# KiCad board keyboard.kicad_pcb (continued)
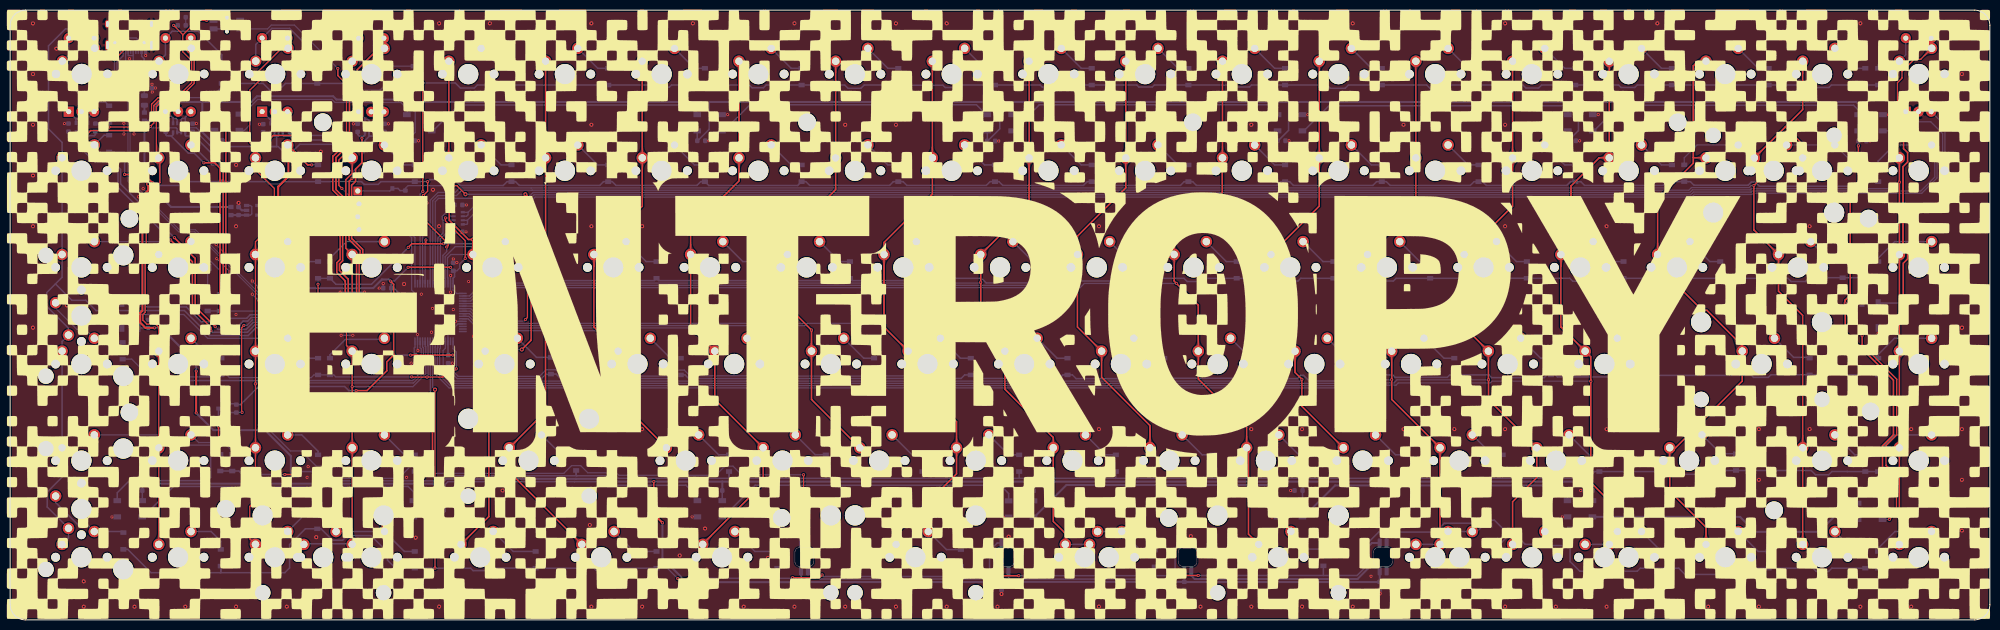
[diagram p0: board, top side]
## Copper pours and planes (outline as drawn; the poured copper is in the pictures) (continued)
/col7 on Top: 138.97,50.62 138.97,50.81 138.99,50.98 139.02,51.15 139.07,51.32 139.12,51.47 139.19,51.63 139.28,51.77 139.37,51.91 139.48,52.05 139.6,52.17 138.81,53.54 138.03,52.17 138.15,52.05 138.26,51.91 138.35,51.77 138.44,51.63 138.51,51.47 138.56,51.32 138.61,51.15 138.64,50.98 138.66,50.81 138.66,50.62
/col7 on Top: 148.49,31.57 148.5,31.76 148.52,31.93 148.55,32.1 148.59,32.27 148.65,32.42 148.72,32.58 148.8,32.72 148.9,32.86 149.01,33 149.13,33.12 148.34,34.49 147.55,33.12 147.67,33 147.78,32.86 147.88,32.72 147.96,32.58 148.03,32.42 148.09,32.27 148.13,32.1 148.16,31.93 148.18,31.76 148.19,31.57
/col7 on Top: 137.99,16.7 137.86,16.57 137.72,16.45 137.58,16.34 137.43,16.25 137.28,16.17 137.12,16.11 136.96,16.06 136.79,16.03 136.62,16.01 136.44,16 136.04,14.48 137.56,14.89 137.56,15.07 137.58,15.24 137.61,15.41 137.66,15.57 137.72,15.74 137.79,15.89 137.87,16.05 137.97,16.2 138.08,16.35 138.2,16.49
/col7 on Top: 137.04,54.54 137.17,54.4 137.28,54.26 137.38,54.12 137.46,53.97 137.53,53.82 137.59,53.66 137.64,53.5 137.67,53.34 137.69,53.16 137.69,52.99 139.21,52.58 138.8,54.1 138.63,54.11 138.46,54.13 138.29,54.16 138.13,54.2 137.97,54.26 137.82,54.33 137.67,54.42 137.53,54.51 137.39,54.62 137.26,54.75
/col8 on Top: 162.78,107.77 162.78,107.96 162.8,108.13 162.83,108.3 162.88,108.47 162.94,108.62 163.01,108.78 163.09,108.92 163.19,109.06 163.29,109.2 163.42,109.32 162.63,110.69 161.84,109.32 161.96,109.2 162.07,109.06 162.17,108.92 162.25,108.78 162.32,108.62 162.38,108.47 162.42,108.3 162.45,108.13 162.47,107.96 162.48,107.77
/col8 on Top: 162.48,93.43 162.47,93.25 162.45,93.07 162.42,92.9 162.38,92.74 162.32,92.58 162.25,92.43 162.17,92.28 162.07,92.14 161.96,92.01 161.84,91.88 162.63,90.52 163.42,91.88 163.29,92.01 163.19,92.14 163.09,92.28 163.01,92.43 162.94,92.58 162.88,92.74 162.83,92.9 162.8,93.07 162.78,93.25 162.78,93.43
/col8 on Top: 162.78,88.72 162.78,88.91 162.8,89.08 162.83,89.25 162.88,89.42 162.94,89.57 163.01,89.73 163.09,89.87 163.19,90.01 163.29,90.15 163.42,90.27 162.63,91.64 161.84,90.27 161.96,90.15 162.07,90.01 162.17,89.87 162.25,89.73 162.32,89.57 162.38,89.42 162.42,89.25 162.45,89.08 162.47,88.91 162.48,88.72
/col8 on Top: 152.95,74.38 152.95,74.2 152.93,74.02 152.9,73.85 152.85,73.69 152.79,73.53 152.72,73.38 152.64,73.23 152.54,73.09 152.44,72.96 152.31,72.83 153.1,71.47 153.89,72.83 153.77,72.96 153.66,73.09 153.56,73.23 153.48,73.38 153.41,73.53 153.35,73.69 153.31,73.85 153.28,74.02 153.26,74.2 153.25,74.38
/col8 on Top: 153.25,69.67 153.26,69.86 153.28,70.03 153.31,70.2 153.35,70.37 153.41,70.52 153.48,70.68 153.56,70.82 153.66,70.96 153.77,71.1 153.89,71.22 153.1,72.59 152.31,71.22 152.44,71.1 152.54,70.96 152.64,70.82 152.72,70.68 152.79,70.52 152.85,70.37 152.9,70.2 152.93,70.03 152.95,69.86 152.95,69.67
/col8 on Top: 157.72,55.33 157.71,55.15 157.69,54.97 157.66,54.8 157.61,54.64 157.56,54.48 157.49,54.33 157.4,54.18 157.31,54.04 157.2,53.91 157.08,53.78 157.87,52.41 158.65,53.78 158.53,53.91 158.42,54.04 158.33,54.18 158.24,54.33 158.17,54.48 158.12,54.64 158.07,54.8 158.04,54.97 158.02,55.15 158.01,55.33
/col8 on Top: 165.62,35.49 165.74,35.35 165.85,35.21 165.95,35.07 166.04,34.92 166.11,34.77 166.17,34.61 166.21,34.45 166.24,34.29 166.26,34.11 166.27,33.94 167.79,33.53 167.38,35.05 167.2,35.06 167.03,35.08 166.86,35.11 166.7,35.15 166.55,35.21 166.39,35.28 166.25,35.37 166.1,35.46 165.96,35.57 165.83,35.7
/col8 on Top: 158.01,50.62 158.02,50.81 158.04,50.98 158.07,51.15 158.12,51.32 158.17,51.47 158.24,51.63 158.33,51.77 158.42,51.91 158.53,52.05 158.65,52.17 157.87,53.54 157.08,52.17 157.2,52.05 157.31,51.91 157.4,51.77 157.49,51.63 157.56,51.47 157.61,51.32 157.66,51.15 157.69,50.98 157.71,50.81 157.72,50.62
/col9 on Top: 174.38,16.88 174.38,16.77 174.36,16.65 174.33,16.53 174.28,16.41 174.22,16.29 174.15,16.17 174.07,16.05 173.98,15.93 173.87,15.81 173.75,15.68 174.53,14.31 175.32,15.68 175.2,15.81 175.09,15.93 175,16.05 174.91,16.17 174.84,16.29 174.79,16.41 174.74,16.53 174.71,16.65 174.69,16.77 174.68,16.88
/col9 on Top: 186.59,31.57 186.6,31.76 186.62,31.93 186.65,32.1 186.69,32.27 186.75,32.42 186.82,32.58 186.9,32.72 187,32.86 187.11,33 187.23,33.12 186.44,34.49 185.65,33.12 185.77,33 185.88,32.86 185.98,32.72 186.06,32.58 186.13,32.42 186.19,32.27 186.23,32.1 186.26,31.93 186.28,31.76 186.29,31.57
/col9 on Top: 186.29,36.28 186.28,36.1 186.26,35.92 186.23,35.75 186.19,35.59 186.13,35.43 186.06,35.28 185.98,35.13 185.88,34.99 185.77,34.86 185.65,34.73 186.44,33.36 187.23,34.73 187.11,34.86 187,34.99 186.9,35.13 186.82,35.28 186.75,35.43 186.69,35.59 186.65,35.75 186.62,35.92 186.6,36.1 186.59,36.28
/col9 on Top: 177.06,50.62 177.07,50.81 177.09,50.98 177.12,51.15 177.17,51.32 177.22,51.47 177.29,51.63 177.38,51.77 177.47,51.91 177.58,52.05 177.7,52.17 176.92,53.54 176.13,52.17 176.25,52.05 176.36,51.91 176.45,51.77 176.54,51.63 176.61,51.47 176.66,51.32 176.71,51.15 176.74,50.98 176.76,50.81 176.76,50.62
/col9 on Top: 175.14,54.54 175.27,54.4 175.38,54.26 175.48,54.12 175.56,53.97 175.63,53.82 175.69,53.66 175.74,53.5 175.77,53.34 175.79,53.16 175.79,52.99 177.31,52.58 176.9,54.1 176.73,54.11 176.56,54.13 176.39,54.16 176.23,54.2 176.07,54.26 175.92,54.33 175.77,54.42 175.63,54.51 175.49,54.62 175.36,54.75
/col9 on Top: 181.83,88.72 181.83,88.91 181.85,89.08 181.88,89.25 181.93,89.42 181.99,89.57 182.06,89.73 182.14,89.87 182.24,90.01 182.34,90.15 182.46,90.27 181.68,91.64 180.89,90.27 181.01,90.15 181.12,90.01 181.22,89.87 181.3,89.73 181.37,89.57 181.43,89.42 181.47,89.25 181.5,89.08 181.52,88.91 181.53,88.72
/col9 on Top: 172,74.38 172,74.2 171.98,74.02 171.95,73.85 171.9,73.69 171.84,73.53 171.77,73.38 171.69,73.23 171.59,73.09 171.49,72.96 171.37,72.83 172.15,71.47 172.94,72.83 172.82,72.96 172.71,73.09 172.61,73.23 172.53,73.38 172.46,73.53 172.4,73.69 172.36,73.85 172.33,74.02 172.31,74.2 172.3,74.38
/col9 on Top: 181.83,107.77 181.83,107.96 181.85,108.13 181.88,108.3 181.93,108.47 181.99,108.62 182.06,108.78 182.14,108.92 182.24,109.06 182.34,109.2 182.46,109.32 181.68,110.69 180.89,109.32 181.01,109.2 181.12,109.06 181.22,108.92 181.3,108.78 181.37,108.62 181.43,108.47 181.47,108.3 181.5,108.13 181.52,107.96 181.53,107.77
/col9 on Top: 181.53,93.43 181.52,93.25 181.5,93.07 181.47,92.9 181.43,92.74 181.37,92.58 181.3,92.43 181.22,92.28 181.12,92.14 181.01,92.01 180.89,91.88 181.68,90.52 182.46,91.88 182.34,92.01 182.24,92.14 182.14,92.28 182.06,92.43 181.99,92.58 181.93,92.74 181.88,92.9 181.85,93.07 181.83,93.25 181.83,93.43
/col9 on Top: 172.3,69.67 172.31,69.86 172.33,70.03 172.36,70.2 172.4,70.37 172.46,70.52 172.53,70.68 172.61,70.82 172.71,70.96 172.82,71.1 172.94,71.22 172.15,72.59 171.37,71.22 171.49,71.1 171.59,70.96 171.69,70.82 171.77,70.68 171.84,70.52 171.9,70.37 171.95,70.2 171.98,70.03 172,69.86 172,69.67
/col10 on Top: 200.88,107.77 200.88,107.96 200.9,108.13 200.93,108.3 200.98,108.47 201.04,108.62 201.11,108.78 201.19,108.92 201.29,109.06 201.39,109.2 201.51,109.32 200.73,110.69 199.94,109.32 200.06,109.2 200.17,109.06 200.27,108.92 200.35,108.78 200.42,108.62 200.48,108.47 200.52,108.3 200.55,108.13 200.57,107.96 200.58,107.77
/col10 on Top: 200.58,93.43 200.57,93.25 200.55,93.07 200.52,92.9 200.48,92.74 200.42,92.58 200.35,92.43 200.27,92.28 200.17,92.14 200.06,92.01 199.94,91.88 200.73,90.52 201.51,91.88 201.39,92.01 201.29,92.14 201.19,92.28 201.11,92.43 201.04,92.58 200.98,92.74 200.93,92.9 200.9,93.07 200.88,93.25 200.88,93.43
/col10 on Top: 192.76,73.8 192.63,73.67 192.49,73.56 192.35,73.47 192.2,73.38 192.05,73.31 191.89,73.25 191.73,73.21 191.56,73.18 191.39,73.16 191.21,73.15 190.8,71.63 192.33,72.04 192.33,72.21 192.35,72.39 192.38,72.55 192.43,72.71 192.48,72.87 192.56,73.02 192.64,73.17 192.74,73.31 192.85,73.45 192.97,73.59
/col10 on Top: 200.88,88.72 200.88,88.91 200.9,89.08 200.93,89.25 200.98,89.42 201.04,89.57 201.11,89.73 201.19,89.87 201.29,90.01 201.39,90.15 201.51,90.27 200.73,91.64 199.94,90.27 200.06,90.15 200.17,90.01 200.27,89.87 200.35,89.73 200.42,89.57 200.48,89.42 200.52,89.25 200.55,89.08 200.57,88.91 200.58,88.72
/col10 on Top: 196.12,50.62 196.12,50.81 196.14,50.98 196.17,51.15 196.22,51.32 196.27,51.47 196.34,51.63 196.43,51.77 196.52,51.91 196.63,52.05 196.75,52.17 195.96,53.54 195.18,52.17 195.3,52.05 195.41,51.91 195.5,51.77 195.59,51.63 195.66,51.47 195.71,51.32 195.76,51.15 195.79,50.98 195.81,50.81 195.81,50.62
/col10 on Top: 205.34,35.96 205.33,35.84 205.31,35.72 205.28,35.6 205.24,35.47 205.18,35.35 205.11,35.23 205.03,35.1 204.93,34.98 204.82,34.86 204.7,34.73 205.49,33.36 206.28,34.73 206.16,34.86 206.05,34.98 205.95,35.1 205.87,35.23 205.8,35.35 205.74,35.47 205.7,35.6 205.67,35.72 205.65,35.84 205.64,35.96
/col10 on Top: 205.64,31.57 205.65,31.76 205.67,31.93 205.7,32.1 205.74,32.27 205.8,32.42 205.87,32.58 205.95,32.72 206.05,32.86 206.16,33 206.28,33.12 205.49,34.49 204.7,33.12 204.82,33 204.93,32.86 205.03,32.72 205.11,32.58 205.18,32.42 205.24,32.27 205.28,32.1 205.31,31.93 205.33,31.76 205.34,31.57
/col10 on Top: 207.72,17.03 207.71,16.89 207.7,16.74 207.66,16.6 207.62,16.47 207.56,16.33 207.49,16.2 207.41,16.06 207.31,15.93 207.2,15.81 207.08,15.68 207.87,14.31 208.66,15.68 208.54,15.81 208.43,15.93 208.33,16.06 208.25,16.2 208.18,16.33 208.12,16.47 208.08,16.6 208.05,16.74 208.03,16.89 208.02,17.03
/col10 on Top: 191.35,69.67 191.36,69.86 191.38,70.03 191.41,70.2 191.45,70.37 191.51,70.52 191.58,70.68 191.66,70.82 191.76,70.96 191.87,71.1 191.99,71.22 191.2,72.59 190.42,71.22 190.54,71.1 190.64,70.96 190.74,70.82 190.82,70.68 190.89,70.52 190.95,70.37 191,70.2 191.03,70.03 191.05,69.86 191.05,69.67
/col10 on Top: 194.19,54.54 194.32,54.4 194.43,54.26 194.53,54.12 194.61,53.97 194.68,53.82 194.74,53.66 194.79,53.5 194.82,53.34 194.84,53.16 194.84,52.99 196.36,52.58 195.95,54.1 195.78,54.11 195.61,54.13 195.44,54.16 195.28,54.2 195.12,54.26 194.97,54.33 194.82,54.42 194.68,54.51 194.54,54.62 194.41,54.75
/col10 on Bottom: 210.23,15.03 210.04,15.03 209.87,15.05 209.7,15.08 209.53,15.13 209.37,15.19 209.22,15.26 209.08,15.34 208.94,15.44 208.8,15.54 208.67,15.66 207.31,14.88 208.67,14.09 208.8,14.21 208.94,14.32 209.08,14.42 209.22,14.5 209.37,14.57 209.53,14.63 209.7,14.67 209.87,14.7 210.04,14.72 210.23,14.73
/col10 on Bottom: 210.28,14.73 210.46,14.72 210.64,14.7 210.81,14.67 210.97,14.63 211.13,14.57 211.28,14.5 211.43,14.42 211.57,14.32 211.7,14.21 211.83,14.09 213.2,14.88 211.83,15.66 211.7,15.54 211.57,15.44 211.43,15.34 211.28,15.26 211.13,15.19 210.97,15.13 210.81,15.08 210.64,15.05 210.46,15.03 210.28,15.03
/col11 on Top: 224.39,36.28 224.38,36.1 224.36,35.92 224.33,35.75 224.29,35.59 224.23,35.43 224.16,35.28 224.08,35.13 223.98,34.99 223.87,34.86 223.75,34.73 224.54,33.36 225.33,34.73 225.21,34.86 225.1,34.99 225,35.13 224.92,35.28 224.85,35.43 224.79,35.59 224.75,35.75 224.72,35.92 224.7,36.1 224.69,36.28
/col11 on Top: 215.17,50.62 215.17,50.81 215.19,50.98 215.22,51.15 215.27,51.32 215.32,51.47 215.39,51.63 215.48,51.77 215.57,51.91 215.68,52.05 215.8,52.17 215.01,53.54 214.23,52.17 214.35,52.05 214.46,51.91 214.55,51.77 214.64,51.63 214.71,51.47 214.76,51.32 214.81,51.15 214.84,50.98 214.86,50.81 214.87,50.62
/col11 on Top: 210.1,74.38 210.1,74.2 210.08,74.02 210.05,73.85 210,73.69 209.94,73.53 209.87,73.38 209.79,73.23 209.69,73.09 209.59,72.96 209.46,72.83 210.25,71.47 211.04,72.83 210.92,72.96 210.81,73.09 210.71,73.23 210.63,73.38 210.56,73.53 210.5,73.69 210.46,73.85 210.43,74.02 210.41,74.2 210.4,74.38
/col11 on Top: 219.93,88.72 219.93,88.91 219.95,89.08 219.98,89.25 220.03,89.42 220.09,89.57 220.16,89.73 220.24,89.87 220.34,90.01 220.44,90.15 220.56,90.27 219.78,91.64 218.99,90.27 219.11,90.15 219.22,90.01 219.32,89.87 219.4,89.73 219.47,89.57 219.53,89.42 219.57,89.25 219.6,89.08 219.62,88.91 219.63,88.72
/col11 on Top: 219.93,107.77 219.93,107.96 219.95,108.13 219.98,108.3 220.03,108.47 220.09,108.62 220.16,108.78 220.24,108.92 220.34,109.06 220.44,109.2 220.56,109.32 219.78,110.69 218.99,109.32 219.11,109.2 219.22,109.06 219.32,108.92 219.4,108.78 219.47,108.62 219.53,108.47 219.57,108.3 219.6,108.13 219.62,107.96 219.63,107.77
/col11 on Top: 219.63,93.43 219.62,93.25 219.6,93.07 219.57,92.9 219.53,92.74 219.47,92.58 219.4,92.43 219.32,92.28 219.22,92.14 219.11,92.01 218.99,91.88 219.78,90.52 220.56,91.88 220.44,92.01 220.34,92.14 220.24,92.28 220.16,92.43 220.09,92.58 220.03,92.74 219.98,92.9 219.95,93.07 219.93,93.25 219.93,93.43
/col11 on Top: 210.4,69.67 210.41,69.86 210.43,70.03 210.46,70.2 210.5,70.37 210.56,70.52 210.63,70.68 210.71,70.82 210.81,70.96 210.92,71.1 211.04,71.22 210.25,72.59 209.46,71.22 209.59,71.1 209.69,70.96 209.79,70.82 209.87,70.68 209.94,70.52 210,70.37 210.05,70.2 210.08,70.03 210.1,69.86 210.1,69.67
/col11 on Top: 213.24,54.54 213.37,54.4 213.48,54.26 213.58,54.12 213.66,53.97 213.73,53.82 213.79,53.66 213.84,53.5 213.87,53.34 213.89,53.16 213.89,52.99 215.41,52.58 215,54.1 214.83,54.11 214.66,54.13 214.49,54.16 214.33,54.2 214.17,54.26 214.02,54.33 213.87,54.42 213.73,54.51 213.59,54.62 213.46,54.75
/col12 on Top: 238.98,107.77 238.98,107.96 239,108.13 239.03,108.3 239.08,108.47 239.14,108.62 239.21,108.78 239.29,108.92 239.39,109.06 239.49,109.2 239.62,109.32 238.83,110.69 238.04,109.32 238.16,109.2 238.27,109.06 238.37,108.92 238.45,108.78 238.52,108.62 238.58,108.47 238.62,108.3 238.65,108.13 238.67,107.96 238.68,107.77
/col12 on Top: 238.68,93.43 238.67,93.25 238.65,93.07 238.62,92.9 238.58,92.74 238.52,92.58 238.45,92.43 238.37,92.28 238.27,92.14 238.16,92.01 238.04,91.88 238.83,90.52 239.62,91.88 239.49,92.01 239.39,92.14 239.29,92.28 239.21,92.43 239.14,92.58 239.08,92.74 239.03,92.9 239,93.07 238.98,93.25 238.98,93.43
/col12 on Top: 229.15,74.38 229.15,74.2 229.13,74.02 229.1,73.85 229.05,73.69 228.99,73.53 228.92,73.38 228.84,73.23 228.74,73.09 228.64,72.96 228.51,72.83 229.3,71.47 230.09,72.83 229.97,72.96 229.86,73.09 229.76,73.23 229.68,73.38 229.61,73.53 229.55,73.69 229.51,73.85 229.48,74.02 229.46,74.2 229.45,74.38
/col12 on Top: 238.93,88.68 238.95,88.87 238.97,89.05 239.01,89.23 239.06,89.4 239.13,89.56 239.2,89.72 239.29,89.87 239.38,90.01 239.49,90.15 239.62,90.27 238.83,91.64 238.04,90.27 238.16,90.15 238.27,90.01 238.36,89.87 238.44,89.72 238.51,89.56 238.56,89.4 238.6,89.23 238.62,89.05 238.63,88.87 238.63,88.68
/col12 on Top: 233.92,55.33 233.91,55.15 233.89,54.97 233.86,54.8 233.81,54.64 233.76,54.48 233.69,54.33 233.6,54.18 233.51,54.04 233.4,53.91 233.28,53.78 234.06,52.41 234.85,53.78 234.73,53.91 234.62,54.04 234.53,54.18 234.44,54.33 234.37,54.48 234.32,54.64 234.27,54.8 234.24,54.97 234.22,55.15 234.21,55.33
/col12 on Top: 229.45,69.67 229.46,69.86 229.48,70.03 229.51,70.2 229.55,70.37 229.61,70.52 229.68,70.68 229.76,70.82 229.86,70.96 229.97,71.1 230.09,71.22 229.3,72.59 228.51,71.22 228.64,71.1 228.74,70.96 228.84,70.82 228.92,70.68 228.99,70.52 229.05,70.37 229.1,70.2 229.13,70.03 229.15,69.86 229.15,69.67
/col12 on Top: 243.44,36.28 243.43,36.1 243.41,35.92 243.38,35.75 243.34,35.59 243.28,35.43 243.21,35.28 243.13,35.13 243.03,34.99 242.92,34.86 242.8,34.73 243.59,33.36 244.38,34.73 244.26,34.86 244.15,34.99 244.05,35.13 243.97,35.28 243.9,35.43 243.84,35.59 243.8,35.75 243.77,35.92 243.75,36.1 243.74,36.28
/col12 on Top: 234.21,50.62 234.22,50.81 234.24,50.98 234.27,51.15 234.32,51.32 234.37,51.47 234.44,51.63 234.53,51.77 234.62,51.91 234.73,52.05 234.85,52.17 234.06,53.54 233.28,52.17 233.4,52.05 233.51,51.91 233.6,51.77 233.69,51.63 233.76,51.47 233.81,51.32 233.86,51.15 233.89,50.98 233.91,50.81 233.92,50.62
/col12 on Top: 244.1,31.21 244.04,31.46 244,31.7 243.97,31.93 243.97,32.14 243.99,32.33 244.03,32.52 244.08,32.69 244.16,32.85 244.26,32.99 244.38,33.12 243.59,34.49 242.8,33.12 242.93,32.99 243.05,32.85 243.16,32.69 243.27,32.52 243.37,32.33 243.47,32.14 243.56,31.93 243.64,31.7 243.73,31.46 243.8,31.21
/col12 on Top: 244.2,16.44 244.33,16.3 244.44,16.16 244.53,16.02 244.62,15.87 244.69,15.72 244.75,15.56 244.79,15.4 244.82,15.24 244.84,15.06 244.85,14.89 246.37,14.48 245.96,16 245.78,16.01 245.61,16.03 245.45,16.06 245.28,16.1 245.13,16.16 244.97,16.23 244.83,16.32 244.68,16.41 244.55,16.52 244.41,16.65
/col13 on Top: 248.5,69.67 248.51,69.86 248.53,70.03 248.56,70.2 248.6,70.37 248.66,70.52 248.73,70.68 248.81,70.82 248.91,70.96 249.02,71.1 249.14,71.22 248.35,72.59 247.56,71.22 247.69,71.1 247.79,70.96 247.89,70.82 247.97,70.68 248.04,70.52 248.1,70.37 248.15,70.2 248.18,70.03 248.2,69.86 248.2,69.67
/col13 on Top: 251.34,54.54 251.47,54.4 251.58,54.26 251.68,54.12 251.76,53.97 251.83,53.82 251.89,53.66 251.94,53.5 251.97,53.34 251.99,53.16 251.99,52.99 253.51,52.58 253.1,54.1 252.93,54.11 252.76,54.13 252.59,54.16 252.43,54.2 252.27,54.26 252.12,54.33 251.97,54.42 251.83,54.51 251.69,54.62 251.56,54.75
/col13 on Top: 258.03,88.72 258.03,88.91 258.05,89.08 258.08,89.25 258.13,89.42 258.19,89.57 258.26,89.73 258.34,89.87 258.44,90.01 258.54,90.15 258.67,90.27 257.88,91.64 257.09,90.27 257.21,90.15 257.32,90.01 257.42,89.87 257.5,89.73 257.57,89.57 257.63,89.42 257.67,89.25 257.7,89.08 257.72,88.91 257.73,88.72
/col13 on Top: 258.03,107.77 258.03,107.96 258.05,108.13 258.08,108.3 258.13,108.47 258.19,108.62 258.26,108.78 258.34,108.92 258.44,109.06 258.54,109.2 258.67,109.32 257.88,110.69 257.09,109.32 257.21,109.2 257.32,109.06 257.42,108.92 257.5,108.78 257.57,108.62 257.63,108.47 257.67,108.3 257.7,108.13 257.72,107.96 257.73,107.77
/col13 on Top: 257.73,93.43 257.72,93.25 257.7,93.07 257.67,92.9 257.63,92.74 257.57,92.58 257.5,92.43 257.42,92.28 257.32,92.14 257.21,92.01 257.09,91.88 257.88,90.52 258.67,91.88 258.54,92.01 258.44,92.14 258.34,92.28 258.26,92.43 258.19,92.58 258.13,92.74 258.08,92.9 258.05,93.07 258.03,93.25 258.03,93.43
/col13 on Top: 260.87,35.49 260.99,35.35 261.1,35.21 261.2,35.07 261.29,34.92 261.36,34.77 261.42,34.61 261.46,34.45 261.49,34.29 261.51,34.11 261.52,33.94 263.04,33.53 262.63,35.05 262.45,35.06 262.28,35.08 262.11,35.11 261.95,35.15 261.8,35.21 261.64,35.28 261.5,35.37 261.35,35.46 261.21,35.57 261.08,35.7
/col13 on Top: 253.26,50.62 253.27,50.81 253.29,50.98 253.32,51.15 253.37,51.32 253.42,51.47 253.49,51.63 253.58,51.77 253.67,51.91 253.78,52.05 253.9,52.17 253.12,53.54 252.33,52.17 252.45,52.05 252.56,51.91 252.65,51.77 252.74,51.63 252.81,51.47 252.86,51.32 252.91,51.15 252.94,50.98 252.96,50.81 252.96,50.62
/col14 on Top: 277.08,107.77 277.08,107.96 277.1,108.13 277.13,108.3 277.18,108.47 277.24,108.62 277.31,108.78 277.39,108.92 277.49,109.06 277.59,109.2 277.71,109.32 276.93,110.69 276.14,109.32 276.26,109.2 276.37,109.06 276.47,108.92 276.55,108.78 276.62,108.62 276.68,108.47 276.72,108.3 276.75,108.13 276.77,107.96 276.78,107.77
/col14 on Top: 276.78,93.43 276.77,93.25 276.75,93.07 276.72,92.9 276.68,92.74 276.62,92.58 276.55,92.43 276.47,92.28 276.37,92.14 276.26,92.01 276.14,91.88 276.93,90.52 277.71,91.88 277.59,92.01 277.49,92.14 277.39,92.28 277.31,92.43 277.24,92.58 277.18,92.74 277.13,92.9 277.1,93.07 277.08,93.25 277.08,93.43
/col14 on Top: 268.96,73.8 268.83,73.67 268.69,73.56 268.55,73.47 268.4,73.38 268.25,73.31 268.09,73.25 267.93,73.21 267.76,73.18 267.59,73.16 267.41,73.15 267,71.63 268.53,72.04 268.53,72.21 268.55,72.39 268.58,72.55 268.63,72.71 268.68,72.87 268.76,73.02 268.84,73.17 268.94,73.31 269.05,73.45 269.17,73.59
/col14 on Top: 277.08,88.72 277.08,88.91 277.1,89.08 277.13,89.25 277.18,89.42 277.24,89.57 277.31,89.73 277.39,89.87 277.49,90.01 277.59,90.15 277.71,90.27 276.93,91.64 276.14,90.27 276.26,90.15 276.37,90.01 276.47,89.87 276.55,89.73 276.62,89.57 276.68,89.42 276.72,89.25 276.75,89.08 276.77,88.91 276.78,88.72
/col14 on Top: 270.39,54.54 270.52,54.4 270.63,54.26 270.73,54.12 270.81,53.97 270.88,53.82 270.94,53.66 270.99,53.5 271.02,53.34 271.04,53.16 271.04,52.99 272.56,52.58 272.15,54.1 271.98,54.11 271.81,54.13 271.64,54.16 271.48,54.2 271.32,54.26 271.17,54.33 271.02,54.42 270.88,54.51 270.74,54.62 270.61,54.75
/col14 on Top: 267.55,69.67 267.56,69.86 267.58,70.03 267.61,70.2 267.65,70.37 267.71,70.52 267.78,70.68 267.86,70.82 267.96,70.96 268.07,71.1 268.19,71.22 267.4,72.59 266.62,71.22 266.74,71.1 266.84,70.96 266.94,70.82 267.02,70.68 267.09,70.52 267.15,70.37 267.2,70.2 267.23,70.03 267.25,69.86 267.25,69.67
/col14 on Top: 279.92,35.49 280.04,35.35 280.15,35.21 280.25,35.07 280.34,34.92 280.41,34.77 280.47,34.61 280.51,34.45 280.54,34.29 280.56,34.11 280.57,33.94 282.09,33.53 281.68,35.05 281.5,35.06 281.33,35.08 281.16,35.11 281,35.15 280.85,35.21 280.69,35.28 280.55,35.37 280.4,35.46 280.26,35.57 280.13,35.7
/col14 on Top: 281.54,17.23 281.53,17.05 281.51,16.87 281.48,16.7 281.44,16.54 281.38,16.38 281.31,16.23 281.23,16.08 281.13,15.94 281.02,15.81 280.9,15.68 281.69,14.31 282.48,15.68 282.36,15.81 282.25,15.94 282.15,16.08 282.07,16.23 282,16.38 281.94,16.54 281.9,16.7 281.87,16.87 281.85,17.05 281.84,17.23
/col14 on Top: 281.84,31.57 281.85,31.76 281.87,31.93 281.9,32.1 281.94,32.27 282,32.42 282.07,32.58 282.15,32.72 282.25,32.86 282.36,33 282.48,33.12 281.69,34.49 280.9,33.12 281.02,33 281.13,32.86 281.23,32.72 281.31,32.58 281.38,32.42 281.44,32.27 281.48,32.1 281.51,31.93 281.53,31.76 281.54,31.57
/col14 on Top: 272.31,50.62 272.32,50.81 272.34,50.98 272.37,51.15 272.42,51.32 272.47,51.47 272.54,51.63 272.63,51.77 272.72,51.91 272.83,52.05 272.95,52.17 272.17,53.54 271.38,52.17 271.5,52.05 271.61,51.91 271.7,51.77 271.79,51.63 271.86,51.47 271.91,51.32 271.96,51.15 271.99,50.98 272.01,50.81 272.01,50.62
/col14 on Bottom: 279.34,14.73 279.52,14.72 279.69,14.7 279.86,14.67 280.03,14.63 280.19,14.57 280.34,14.5 280.48,14.42 280.62,14.32 280.76,14.21 280.89,14.09 282.25,14.88 280.89,15.66 280.76,15.54 280.62,15.44 280.48,15.34 280.34,15.26 280.19,15.19 280.03,15.13 279.86,15.08 279.69,15.05 279.52,15.03 279.34,15.03
/col14 on Bottom: 279.28,15.03 279.1,15.03 278.92,15.05 278.75,15.08 278.59,15.13 278.43,15.19 278.28,15.26 278.13,15.34 277.99,15.44 277.86,15.54 277.73,15.66 276.37,14.88 277.73,14.09 277.86,14.21 277.99,14.32 278.13,14.42 278.28,14.5 278.43,14.57 278.59,14.63 278.75,14.67 278.92,14.7 279.1,14.72 279.28,14.73
/col15 on Top: 295.83,17.23 295.82,17.05 295.8,16.87 295.77,16.7 295.73,16.54 295.67,16.38 295.6,16.23 295.52,16.08 295.42,15.94 295.31,15.81 295.19,15.68 295.98,14.31 296.76,15.68 296.64,15.81 296.54,15.94 296.44,16.08 296.36,16.23 296.29,16.38 296.23,16.54 296.18,16.7 296.15,16.87 296.13,17.05 296.13,17.23
/col15 on Top: 300.89,31.57 300.9,31.76 300.92,31.93 300.95,32.1 300.99,32.27 301.05,32.42 301.12,32.58 301.2,32.72 301.3,32.86 301.41,33 301.53,33.12 300.74,34.49 299.95,33.12 300.07,33 300.18,32.86 300.28,32.72 300.36,32.58 300.43,32.42 300.49,32.27 300.53,32.1 300.56,31.93 300.58,31.76 300.59,31.57
/col15 on Top: 289.44,54.54 289.57,54.4 289.68,54.26 289.78,54.12 289.86,53.97 289.93,53.82 289.99,53.66 290.04,53.5 290.07,53.34 290.09,53.16 290.09,52.99 291.61,52.58 291.2,54.1 291.03,54.11 290.86,54.13 290.69,54.16 290.53,54.2 290.37,54.26 290.22,54.33 290.07,54.42 289.93,54.51 289.79,54.62 289.66,54.75
/col15 on Top: 286.6,69.67 286.61,69.86 286.63,70.03 286.66,70.2 286.7,70.37 286.76,70.52 286.83,70.68 286.91,70.82 287.01,70.96 287.12,71.1 287.24,71.22 286.45,72.59 285.67,71.22 285.79,71.1 285.89,70.96 285.99,70.82 286.07,70.68 286.14,70.52 286.2,70.37 286.25,70.2 286.28,70.03 286.3,69.86 286.3,69.67
/col15 on Top: 288.01,73.8 287.88,73.67 287.74,73.56 287.6,73.47 287.45,73.38 287.3,73.31 287.14,73.25 286.98,73.21 286.81,73.18 286.64,73.16 286.46,73.15 286.05,71.63 287.58,72.04 287.58,72.21 287.6,72.39 287.63,72.55 287.68,72.71 287.73,72.87 287.81,73.02 287.89,73.17 287.99,73.31 288.1,73.45 288.22,73.59
/col15 on Top: 296.13,88.72 296.13,88.91 296.15,89.08 296.18,89.25 296.23,89.42 296.29,89.57 296.36,89.73 296.44,89.87 296.54,90.01 296.64,90.15 296.76,90.27 295.98,91.64 295.19,90.27 295.31,90.15 295.42,90.01 295.52,89.87 295.6,89.73 295.67,89.57 295.73,89.42 295.77,89.25 295.8,89.08 295.82,88.91 295.83,88.72
/col15 on Top: 296.13,107.77 296.13,107.96 296.15,108.13 296.18,108.3 296.23,108.47 296.29,108.62 296.36,108.78 296.44,108.92 296.54,109.06 296.64,109.2 296.76,109.32 295.98,110.69 295.19,109.32 295.31,109.2 295.42,109.06 295.52,108.92 295.6,108.78 295.67,108.62 295.73,108.47 295.77,108.3 295.8,108.13 295.82,107.96 295.83,107.77
/col15 on Top: 295.83,93.43 295.82,93.25 295.8,93.07 295.77,92.9 295.73,92.74 295.67,92.58 295.6,92.43 295.52,92.28 295.42,92.14 295.31,92.01 295.19,91.88 295.98,90.52 296.76,91.88 296.64,92.01 296.54,92.14 296.44,92.28 296.36,92.43 296.29,92.58 296.23,92.74 296.18,92.9 296.15,93.07 296.13,93.25 296.13,93.43
/col15 on Top: 298.97,35.49 299.09,35.35 299.2,35.21 299.3,35.07 299.39,34.92 299.46,34.77 299.52,34.61 299.56,34.45 299.59,34.29 299.61,34.11 299.62,33.94 301.14,33.53 300.73,35.05 300.55,35.06 300.38,35.08 300.21,35.11 300.05,35.15 299.9,35.21 299.74,35.28 299.6,35.37 299.45,35.46 299.31,35.57 299.18,35.7